# KiCad board 8851_HW-U1-VCU118_REV2-0_071417.kicad_pcb (continued)
## Footprints (pads in the part's own frame, mm; a bottom-side part is the same pattern mirrored in y, then rotated) (continued)
unnamed#48
  rect 0.001x0.001 hole 0: 1(-2.874,3.519) 2(-2.874,2.879) 3(-2.874,2.239) 4(-2.874,1.599) 5(-2.874,0.96) 6(-2.874,0.32) 7(-2.874,-0.32) 8(-2.874,-0.96) 9(-2.874,-1.599) 10(-2.874,-2.239) 11(-2.874,-2.879) 12(-2.874,-3.519) 13(2.874,-3.519) 14(2.874,-2.879) 15(2.874,-2.239) 16(2.874,-1.599) 17(2.874,-0.96) 18(2.874,-0.32) 19(2.874,0.32) 20(2.874,0.96) 21(2.874,1.599) 22(2.874,2.239) 23(2.874,2.879) 24(2.874,3.519)
unnamed#49
  rect 0.001x0.001 hole 0: 1(2.225,4.475) 2(2.225,-4.475) 3(-2.225,4.475) 4(-2.225,-4.475)
unnamed#50
  rect 0.001x0.001 hole 0: 1(2.377,-1.722) 2(2.377,-1.23) 3(2.377,-0.738) 4(2.377,-0.246) 5(2.377,0.246) 6(2.377,0.738) 7(2.377,1.23) 8(2.377,1.722) 9(1.722,2.377) 10(1.23,2.377) 11(0.738,2.377) 12(0.246,2.377) 13(-0.246,2.377) 14(-0.738,2.377) 15(-1.23,2.377) 16(-1.722,2.377) 17(-2.377,1.722) 18(-2.377,1.23) 19(-2.377,0.738) 20(-2.377,0.246) 21(-2.377,-0.246) 22(-2.377,-0.738) 23(-2.377,-1.23) 24(-2.377,-1.722) 25(-1.722,-2.377) 26(-1.23,-2.377) 27(-0.738,-2.377) 28(-0.246,-2.377) 29(0.246,-2.377) 30(0.738,-2.377) 31(1.23,-2.377) 32(1.722,-2.377) 33(0,0)
unnamed#51
  rect 0.001x0.001 hole 0: 1(1.448,-0.96) 2(1.448,-0.32) 3(1.448,0.32) 4(1.448,0.96) 5(-1.448,0.96) 6(-1.448,0.32) 7(-1.448,-0.32) 8(-1.448,-0.96) 9(0,-1) 10(0,0.55)
unnamed#52
  rect 0.001x0.001 hole 0: 1(0.492,0.64) 2(0,-0.64) 3(-0.492,0.64)
unnamed#53
  round 0.001 hole 0: 1(0,0)
  round 0.001 hole 1.575: 2(2.5,2.5) 3(-2.5,2.5) 4(2.5,-2.5) 5(-2.5,-2.5)
unnamed#54
  rect 0.001x0.001 hole 0: 1(2.875,-2.879) 2(2.875,-2.239) 3(2.875,-1.599) 4(2.875,-0.96) 5(2.875,-0.32) 6(2.875,0.32) 7(2.875,0.96) 8(2.875,1.599) 9(2.875,2.239) 10(2.875,2.879) 11(-2.875,2.879) 12(-2.875,2.239) 13(-2.875,1.599) 14(-2.875,0.96) 15(-2.875,0.32) 16(-2.875,-0.32) 17(-2.875,-0.96) 18(-2.875,-1.599) 19(-2.875,-2.239) 20(-2.875,-2.879)
unnamed#55
  rect 0.001x0.001 hole 0: 1(1.688,0) 2(-1.688,0)
unnamed#188
  rect 0.001x0.001 hole 0: 1(1.723,0) 2(-1.723,0)
unnamed#56
  rect 0.001x0.001 hole 0: 1(0.938,-0.64) 2(0.938,0) 3(0.938,0.64) 4(-0.938,0.64) 5(-0.938,-0.64)
unnamed#57
  rect 0.001x0.001 hole 0: 1(1.082,-0.648) 2(1.082,0) 3(1.082,0.648) 4(-1.082,0.648) 5(-1.082,0) 6(-1.082,-0.648)
unnamed#58
  rect 0.001x0.001 hole 0: 1(-0.985,0) 2(0.985,0)
unnamed#59
  rect 0.001x0.001 hole 1: 1(0,0)
  round 0.001 hole 1: 2(2.5,0) 3(0,-2.5) 4(2.5,-2.5) 5(0,-5) 6(2.5,-5) 7(0,-7.5) 8(2.5,-7.5) 9(0,-10) 10(2.5,-10) 11(0,-12.5) 12(2.5,-12.5) 13(0,-15) 14(2.5,-15) 15(0,-17.5) 16(2.5,-17.5)
unnamed#60
  rect 0.001x0.001 hole 0: 1(-0.688,-1.725) 2(-0.688,1.725) 3(0.688,-1.725) 4(0.688,1.725)
unnamed#61
  rect 0.001x0.001 hole 0: 1(0,-1.28) 2(0,-0.64) 3(0,0) 4(0,0.64) 5(0,1.28) 7(2.757,1.137) 8(2.757,-1.137)
  round 0.001 hole 0.8: 6(2.757,4.025) 9(2.757,-4.025)
  round 0.001 hole 0.65: 10(-0.318,-2.191) 11(-0.318,2.191)
unnamed#62
  rect 0.001x0.001 hole 0: 1(0.394,0.394) 2(-0.394,0.394) 3(0,-0.394)
unnamed#63
  rect 0.001x0.001 hole 0: 1(-1.688,0) 2(1.688,0)
unnamed#64
  rect 0.001x0.001 hole 0: 1(-2.225,-4.475) 2(-2.225,4.475) 3(2.225,-4.475) 4(2.225,4.475)
unnamed#65
  rect 0.001x0.001 hole 1: 1(0,0)
  round 0.001 hole 1: 2(0,2.5)
unnamed#66
  rect 0.001x0.001 hole 0: 1(0,0.931) 2(0,-0.931)
unnamed#67
  rect 0.001x0.001 hole 0: 1(1.25,1.28) 2(0,1.28) 3(-1.25,1.28) 4(-1.25,-1.28) 5(0,-1.28) 6(1.25,-1.28)
unnamed#68
  rect 0.001x0.001 hole 0: 1(-1.083,0.935) 2(-1.083,-0.935) 3(1.083,0)
unnamed#69
  rect 0.001x0.001 hole 0: 1(-3.518,0) 2(3.518,0)
unnamed#70
  rect 0.001x0.001 hole 0: 1(0.386,-0.492) 2(0.386,0) 3(0.386,0.492) 4(-0.386,0.492) 5(-0.386,0) 6(-0.386,-0.492)
unnamed#71
  rect 0.001x0.001 hole 0: 1(-2.116,7.536) 2(2.116,11.075) 3(-2.116,-1.339) 4(2.116,2.225) 5(-2.116,-10.189) 6(2.116,-6.649) 7(-2.116,-19.064) 8(2.116,-15.524)
unnamed#72
  rect 0.001x0.001 hole 0: 1(0.197,0.69) 2(-0.197,0.69) 3(-0.886,0.394) 4(-0.886,0) 5(-0.886,-0.394) 6(-0.197,-0.69) 7(0.197,-0.69) 8(0.886,-0.394) 9(0.886,0) 10(0.886,0.394)
unnamed#73
  rect 0.001x0.001 hole 0: 1(1.81,-0.96) 2(1.81,-0.32) 3(1.81,0.32) 4(1.81,0.96) 5(0.96,1.815) 6(0.32,1.815) 7(-0.32,1.815) 8(-0.96,1.815) 9(-1.81,0.96) 10(-1.81,0.32) 11(-1.81,-0.32) 12(-1.81,-0.96) 13(-0.96,-1.815) 14(-0.32,-1.815) 15(0.32,-1.815) 16(0.96,-1.815) 17(0,0)
unnamed#74
  rect 0.001x0.001 hole 0: 1(-2.707,-3.42) 2(-2.215,-3.42) 3(-1.723,-3.42) 4(-1.23,-3.42) 5(-0.738,-3.42) 6(-0.245,-3.42) 7(0.245,-3.42) 8(0.738,-3.42) 9(1.23,-3.42) 10(1.723,-3.42) 11(2.215,-3.42) 12(2.707,-3.42) 13(3.42,-2.707) 14(3.42,-2.215) 15(3.42,-1.723) 16(3.42,-1.23) 17(3.42,-0.738) 18(3.42,-0.245) 19(3.42,0.245) 20(3.42,0.738) 21(3.42,1.23) 22(3.42,1.723) 23(3.42,2.215) 24(3.42,2.707) 25(2.707,3.42) 26(2.215,3.42) 27(1.723,3.42) 28(1.23,3.42) 29(0.738,3.42) 30(0.245,3.42) 31(-0.245,3.42) 32(-0.738,3.42) 33(-1.23,3.42) 34(-1.723,3.42) 35(-2.215,3.42) 36(-2.707,3.42) 37(-3.42,2.707) 38(-3.42,2.215) 39(-3.42,1.723) 40(-3.42,1.23) 41(-3.42,0.738) 42(-3.42,0.245) 43(-3.42,-0.245) 44(-3.42,-0.738) 45(-3.42,-1.23) 46(-3.42,-1.723) 47(-3.42,-2.215) 48(-3.42,-2.707) 49(0,0)
unnamed#75
  rect 0.001x0.001 hole 0: 1(0,-2.725) 2(0,2.725)
unnamed#76
  round 0.001 hole 0: 1(0.716,-1.526) 2(1.103,-0.541) 3(1.103,0.443) 4(1.103,1.427) 5(1.103,2.411) 6(-1.103,1.919) 7(-1.103,0.935) 8(-1.103,-0.049) 9(-1.103,-1.033) 10(-1.653,-1.526) 11(-1.205,-2.756) 12(-0.713,-2.756) 13(-0.22,-2.756) 14(0.272,-2.756) 15(0.764,-2.756) 16(1.256,-2.756)
  rect 0.001x0.001 hole 0: 17(0,-4.183) 18(1.55,4.148) 19(-1.55,4.148)
unnamed#77
  round 0.001 hole 0: A1(-0.492,0.492) A2(0,0.492) A3(0.492,0.492) B1(-0.492,0) B2(0,0) B3(0.492,0) C1(-0.492,-0.492) C2(0,-0.492) C3(0.492,-0.492)
unnamed#78
  rect 0.001x0.001 hole 0: 1(0,1.688) 2(0,-1.688)
unnamed#79
  rect 0.001x0.001 hole 0: 1(-1.821,0) 2(1.821,0)
unnamed#80
  rect 0.001x0.001 hole 0: 1(-1.448,0.96) 2(-1.448,0.32) 3(-1.448,-0.32) 4(-1.448,-0.96) 5(1.448,-0.96) 6(1.448,-0.32) 7(1.448,0.32) 8(1.448,0.96) 9(0,1) 10(0,-0.55)
unnamed#81
  rect 0.001x0.001 hole 0: 1(-3.95,0) 2(3.95,0)
unnamed#82
  rect 0.001x0.001 hole 0: 1(2.5,2.062) 2(0,2.062) 3(-2.5,2.062) 4(-2.5,-2.062) 5(0,-2.062) 6(2.5,-2.062) 7(2.8,0) 8(-2.8,0)
unnamed#83
  round 0.001 hole 0: A1(-5.512,-5.512) A2(-5.512,-4.724) A3(-5.512,-3.937) A4(-5.512,-3.15) A5(-5.512,-2.362) A6(-5.512,-1.575) A7(-5.512,-0.787) A8(-5.512,0) A9(-5.512,0.787) A10(-5.512,1.575) A11(-5.512,2.362) A12(-5.512,3.15) A13(-5.512,3.937) A14(-5.512,4.724) A15(-5.512,5.512) B1(-4.724,-5.512) B2(-4.724,-4.724) B3(-4.724,-3.937) B4(-4.724,-3.15) B5(-4.724,-2.362) B6(-4.724,-1.575) B7(-4.724,-0.787) B8(-4.724,0) B9(-4.724,0.787) B10(-4.724,1.575) B11(-4.724,2.362) B12(-4.724,3.15) B13(-4.724,3.937) B14(-4.724,4.724) B15(-4.724,5.512) C1(-3.937,-5.512) C2(-3.937,-4.724) C3(-3.937,-3.937) C4(-3.937,-3.15) C5(-3.937,-2.362) C6(-3.937,-1.575) C7(-3.937,-0.787) C8(-3.937,0) C9(-3.937,0.787) C10(-3.937,1.575) C11(-3.937,2.362) C12(-3.937,3.15) C13(-3.937,3.937) C14(-3.937,4.724) C15(-3.937,5.512) D1(-3.15,-5.512) D2(-3.15,-4.724) D3(-3.15,-3.937) D4(-3.15,-3.15) D5(-3.15,-2.362) D6(-3.15,-1.575) D7(-3.15,-0.787) D8(-3.15,0) D9(-3.15,0.787) D10(-3.15,1.575) D11(-3.15,2.362) D12(-3.15,3.15) D13(-3.15,3.937) D14(-3.15,4.724) D15(-3.15,5.512) E1(-2.362,-5.512) E2(-2.362,-4.724) E3(-2.362,-3.937) E4(-2.362,-3.15) E5(-2.362,-2.362) E6(-2.362,-1.575) E7(-2.362,-0.787) E8(-2.362,0) E9(-2.362,0.787) E10(-2.362,1.575) E11(-2.362,2.362) E12(-2.362,3.15) E13(-2.362,3.937) E14(-2.362,4.724) E15(-2.362,5.512) F1(-1.575,-5.512) F2(-1.575,-4.724) F3(-1.575,-3.937) F4(-1.575,-3.15) F5(-1.575,-2.362) F6(-1.575,-1.575) F7(-1.575,-0.787) F8(-1.575,0) F9(-1.575,0.787) F10(-1.575,1.575) F11(-1.575,2.362) F12(-1.575,3.15) F13(-1.575,3.937) F14(-1.575,4.724) F15(-1.575,5.512) G1(-0.787,-5.512) G2(-0.787,-4.724) G3(-0.787,-3.937) G4(-0.787,-3.15) G5(-0.787,-2.362) G6(-0.787,-1.575) G7(-0.787,-0.787) G8(-0.787,0) G9(-0.787,0.787) G10(-0.787,1.575) G11(-0.787,2.362) G12(-0.787,3.15) G13(-0.787,3.937) G14(-0.787,4.724) G15(-0.787,5.512) H1(0,-5.512) H2(0,-4.724) H3(0,-3.937) H4(0,-3.15) H5(0,-2.362) H6(0,-1.575) H7(0,-0.787) H8(0,0) H9(0,0.787) H10(0,1.575) H11(0,2.362) H12(0,3.15) H13(0,3.937) H14(0,4.724) H15(0,5.512) J1(0.787,-5.512) J2(0.787,-4.724) J3(0.787,-3.937) J4(0.787,-3.15) J5(0.787,-2.362) J6(0.787,-1.575) J7(0.787,-0.787) J8(0.787,0) J9(0.787,0.787) J10(0.787,1.575) J11(0.787,2.362) J12(0.787,3.15) J13(0.787,3.937) J14(0.787,4.724) J15(0.787,5.512) K1(1.575,-5.512) K2(1.575,-4.724) K3(1.575,-3.937) K4(1.575,-3.15) K5(1.575,-2.362) K6(1.575,-1.575) K7(1.575,-0.787) K8(1.575,0) K9(1.575,0.787) K10(1.575,1.575) K11(1.575,2.362) K12(1.575,3.15) K13(1.575,3.937) K14(1.575,4.724) K15(1.575,5.512) L1(2.362,-5.512) L2(2.362,-4.724) L3(2.362,-3.937) L4(2.362,-3.15) L5(2.362,-2.362) L6(2.362,-1.575) L7(2.362,-0.787) L8(2.362,0) L9(2.362,0.787) L10(2.362,1.575) L11(2.362,2.362) L12(2.362,3.15) L13(2.362,3.937) L14(2.362,4.724) L15(2.362,5.512) M1(3.15,-5.512) M2(3.15,-4.724) M3(3.15,-3.937) M4(3.15,-3.15) M5(3.15,-2.362) M6(3.15,-1.575) M7(3.15,-0.787) M8(3.15,0) M9(3.15,0.787) M10(3.15,1.575) M11(3.15,2.362) M12(3.15,3.15) M13(3.15,3.937) M14(3.15,4.724) M15(3.15,5.512) N1(3.937,-5.512) N2(3.937,-4.724) N3(3.937,-3.937) N4(3.937,-3.15) N5(3.937,-2.362) N6(3.937,-1.575) N7(3.937,-0.787) N8(3.937,0) N9(3.937,0.787) N10(3.937,1.575) N11(3.937,2.362) N12(3.937,3.15) N13(3.937,3.937) N14(3.937,4.724) N15(3.937,5.512) P1(4.724,-5.512) P2(4.724,-4.724) P3(4.724,-3.937) P4(4.724,-3.15) P5(4.724,-2.362) P6(4.724,-1.575) P7(4.724,-0.787) P8(4.724,0) P9(4.724,0.787) P10(4.724,1.575) P11(4.724,2.362) P12(4.724,3.15) P13(4.724,3.937) P14(4.724,4.724) P15(4.724,5.512) R1(5.512,-5.512) R2(5.512,-4.724) R3(5.512,-3.937) R4(5.512,-3.15) R5(5.512,-2.362) R6(5.512,-1.575) R7(5.512,-0.787) R8(5.512,0) R9(5.512,0.787) R10(5.512,1.575) R11(5.512,2.362) R12(5.512,3.15) R13(5.512,3.937) R14(5.512,4.724) R15(5.512,5.512)
unnamed#84
  round 0.001 hole 0: A2(-4.921,5.905) A3(-3.937,5.905) A4(-2.953,5.905) A5(-1.969,5.905) A6(-0.985,5.905) A7(0,5.905) A8(0.984,5.905) A9(1.968,5.905) A10(2.952,5.905) A11(3.937,5.905) A12(4.923,5.907) A13(5.907,5.907) B1(-5.906,4.921) B2(-4.921,4.921) B3(-3.937,4.921) B4(-2.953,4.921) B5(-1.969,4.921) B6(-0.985,4.921) B7(0,4.921) B8(0.984,4.921) B9(1.968,4.921) B10(2.952,4.921) B11(3.937,4.921) B12(4.923,4.923) B13(5.907,4.923) C1(-5.906,3.937) C2(-4.921,3.937) C3(-3.937,3.937) C4(-2.953,3.937) C5(-1.969,3.937) C6(-0.985,3.937) C7(0,3.937) C8(0.984,3.937) C9(1.968,3.937) C10(2.952,3.937) C11(3.937,3.937) C12(4.923,3.938) C13(5.907,3.938) D1(-5.906,2.952) D2(-4.921,2.952) D3(-3.937,2.952) D4(-2.953,2.952) D5(-1.969,2.952) D6(-0.985,2.952) D7(0,2.952) D8(0.984,2.952) D9(1.968,2.952) D10(2.952,2.952) D11(3.937,2.952) D12(4.923,2.954) D13(5.907,2.954) E1(-5.906,1.968) E2(-4.921,1.968) E3(-3.937,1.968) E4(-2.953,1.968) E5(-1.969,1.968) E6(-0.985,1.968) E7(0,1.968) E8(0.984,1.968) E9(1.968,1.968) E10(2.952,1.968) E11(3.937,1.968) E12(4.923,1.97) E13(5.907,1.97) F1(-5.906,0.984) F2(-4.921,0.984) F3(-3.937,0.984) F4(-2.953,0.984) F5(-1.969,0.984) F6(-0.985,0.984) F7(0,0.984) F8(0.984,0.984) F9(1.968,0.984) F10(2.952,0.984) F11(3.937,0.984) F12(4.923,0.986) F13(5.907,0.986) G1(-5.906,0) G2(-4.921,0) G3(-3.937,0) G4(-2.953,0) G5(-1.969,0) G6(-0.985,0) G7(0,0) G8(0.984,0) G9(1.968,0) G10(2.952,0) G11(3.937,0) G12(4.923,0.001) G13(5.907,0.001) H1(-5.906,-0.985) H2(-4.921,-0.985) H3(-3.937,-0.985) H4(-2.953,-0.985) H5(-1.969,-0.985) H6(-0.985,-0.985) H7(0,-0.985) H8(0.984,-0.985) H9(1.968,-0.985) H10(2.952,-0.985) H11(3.937,-0.985) H12(4.923,-0.983) H13(5.907,-0.983) J1(-5.906,-1.969) J2(-4.921,-1.969) J3(-3.937,-1.969) J4(-2.953,-1.969) J5(-1.969,-1.969) J6(-0.985,-1.969) J7(0,-1.969) J8(0.984,-1.969) J9(1.968,-1.969) J10(2.952,-1.969) J11(3.937,-1.969) J12(4.923,-1.967) J13(5.907,-1.967) K1(-5.906,-2.953) K2(-4.921,-2.953) K3(-3.937,-2.953) K4(-2.953,-2.953) K5(-1.969,-2.953) K6(-0.985,-2.953) K7(0,-2.953) K8(0.984,-2.953) K9(1.968,-2.953) K10(2.952,-2.953) K11(3.937,-2.953) K12(4.923,-2.951) K13(5.907,-2.951) L1(-5.906,-3.937) L2(-4.921,-3.937) L3(-3.937,-3.937) L4(-2.953,-3.937) L5(-1.969,-3.937) L6(-0.985,-3.937) L7(0,-3.937) L8(0.984,-3.937) L9(1.968,-3.937) L10(2.952,-3.937) L11(3.937,-3.937) L12(4.923,-3.936) L13(5.907,-3.936) M1(-5.906,-4.921) M2(-4.921,-4.921) M3(-3.937,-4.921) M4(-2.953,-4.921) M5(-1.969,-4.921) M6(-0.985,-4.921) M7(0,-4.921) M8(0.984,-4.921) M9(1.968,-4.921) M10(2.952,-4.921) M11(3.937,-4.921) M12(4.923,-4.92) M13(5.907,-4.92) N1(-5.906,-5.906) N2(-4.921,-5.906) N3(-3.937,-5.906) N4(-2.953,-5.906) N5(-1.969,-5.906) N6(-0.985,-5.906) N7(0,-5.906) N8(0.984,-5.906) N9(1.968,-5.906) N10(2.952,-5.906) N11(3.937,-5.906) N12(4.923,-5.904) N13(5.907,-5.904)
unnamed#85
  rect 0.001x0.001 hole 0: 1(-2.24,-2.805) 2(-1.6,-2.805) 3(-0.96,-2.805) 4(-0.32,-2.805) 5(0.32,-2.805) 6(0.96,-2.805) 7(1.6,-2.805) 8(2.24,-2.805) 9(2.24,2.805) 10(1.6,2.805) 11(0.96,2.805) 12(0.32,2.805) 13(-0.32,2.805) 14(-0.96,2.805) 15(-1.6,2.805) 16(-2.24,2.805) 17(0,0)
unnamed#86
  rect 0.001x0.001 hole 0: 1(-2.51,0) 2(2.51,0)
unnamed#87
  rect 0.001x0.001 hole 0: 1(-4.475,2.225) 2(4.475,2.225) 3(-4.475,-2.225) 4(4.475,-2.225)
unnamed#88
  rect 0.001x0.001 hole 0: 1(2.51,0) 2(-2.51,0)
unnamed#89
  round 0.001 hole 0: A1(5.905,3.15) A2(5.905,2.362) A3(5.905,1.575) A7(5.905,-1.575) A8(5.905,-2.362) A9(5.905,-3.15) B1(5.118,3.15) B2(5.118,2.362) B3(5.118,1.575) B7(5.118,-1.575) B8(5.118,-2.362) B9(5.118,-3.15) C1(4.331,3.15) C2(4.331,2.362) C3(4.331,1.575) C7(4.331,-1.575) C8(4.331,-2.362) C9(4.331,-3.15) D1(3.543,3.15) D2(3.543,2.362) D3(3.543,1.575) D7(3.543,-1.575) D8(3.543,-2.362) D9(3.543,-3.15) E1(2.756,3.15) E2(2.756,2.362) E3(2.756,1.575) E7(2.756,-1.575) E8(2.756,-2.362) E9(2.756,-3.15) F1(1.968,3.15) F2(1.968,2.362) F3(1.968,1.575) F7(1.968,-1.575) F8(1.968,-2.362) F9(1.968,-3.15) G1(1.181,3.15) G2(1.181,2.362) G3(1.181,1.575) G7(1.181,-1.575) G8(1.181,-2.362) G9(1.181,-3.15) H1(0.394,3.15) H2(0.394,2.362) H3(0.394,1.575) H7(0.394,-1.575) H8(0.394,-2.362) H9(0.394,-3.15) J1(-0.394,3.15) J2(-0.394,2.362) J3(-0.394,1.575) J7(-0.394,-1.575) J8(-0.394,-2.362) J9(-0.394,-3.15) K1(-1.181,3.15) K2(-1.181,2.362) K3(-1.181,1.575) K7(-1.181,-1.575) K8(-1.181,-2.362) K9(-1.181,-3.15) L1(-1.968,3.15) L2(-1.968,2.362) L3(-1.968,1.575) L7(-1.968,-1.575) L8(-1.968,-2.362) L9(-1.968,-3.15) M1(-2.756,3.15) M2(-2.756,2.362) M3(-2.756,1.575) M7(-2.756,-1.575) M8(-2.756,-2.362) M9(-2.756,-3.15) N1(-3.543,3.15) N2(-3.543,2.362) N3(-3.543,1.575) N7(-3.543,-1.575) N8(-3.543,-2.362) N9(-3.543,-3.15) P1(-4.331,3.15) P2(-4.331,2.362) P3(-4.331,1.575) P7(-4.331,-1.575) P8(-4.331,-2.362) P9(-4.331,-3.15) R1(-5.118,3.15) R2(-5.118,2.362) R3(-5.118,1.575) R7(-5.118,-1.575) R8(-5.118,-2.362) R9(-5.118,-3.15) T1(-5.905,3.15) T2(-5.905,2.362) T3(-5.905,1.575) T7(-5.905,-1.575) T8(-5.905,-2.362) T9(-5.905,-3.15)
unnamed#90
  rect 0.001x0.001 hole 0: 1(-1,-3.275) 2(-1,-15.775) 3(-1,-28.275) 4(-1,-40.775) 5(9.525,-45.05) 6(22.025,-45.05) 7(34.525,-45.05) 8(47.025,-45.05) 9(57.55,-40.775) 10(57.55,-28.275) 11(57.55,-15.775) 12(57.55,-3.275) 13(47.025,1) 14(34.525,1) 15(22.025,1) 16(9.525,1)
unnamed#91
  rect 0.001x0.001 hole 0: 1(0.985,0) 2(-0.985,0)
unnamed#92
  rect 0.001x0.001 hole 0: 1(0.787,-1.181) 2(0.787,-0.394) 3(0.787,0.394) 4(0.787,1.181) 5(-0.787,1.181) 6(-0.787,0.394) 7(-0.787,-0.394) 8(-0.787,-1.181)
unnamed#93
  rect 0.001x0.001 hole 0: 1(-0.64,-0.938) 2(0,-0.938) 3(0.64,-0.938) 4(0.64,0.938) 5(-0.64,0.938)
unnamed#94
  round 0.001 hole 0: A2(-5.905,-4.921) A3(-5.905,-3.937) A4(-5.905,-2.953) A5(-5.905,-1.969) A6(-5.905,-0.985) A7(-5.905,0) A8(-5.905,0.984) A9(-5.905,1.968) A10(-5.905,2.952) A11(-5.905,3.937) A12(-5.907,4.923) A13(-5.907,5.907) B1(-4.921,-5.906) B2(-4.921,-4.921) B3(-4.921,-3.937) B4(-4.921,-2.953) B5(-4.921,-1.969) B6(-4.921,-0.985) B7(-4.921,0) B8(-4.921,0.984) B9(-4.921,1.968) B10(-4.921,2.952) B11(-4.921,3.937) B12(-4.923,4.923) B13(-4.923,5.907) C1(-3.937,-5.906) C2(-3.937,-4.921) C3(-3.937,-3.937) C4(-3.937,-2.953) C5(-3.937,-1.969) C6(-3.937,-0.985) C7(-3.937,0) C8(-3.937,0.984) C9(-3.937,1.968) C10(-3.937,2.952) C11(-3.937,3.937) C12(-3.938,4.923) C13(-3.938,5.907) D1(-2.952,-5.906) D2(-2.952,-4.921) D3(-2.952,-3.937) D4(-2.952,-2.953) D5(-2.952,-1.969) D6(-2.952,-0.985) D7(-2.952,0) D8(-2.952,0.984) D9(-2.952,1.968) D10(-2.952,2.952) D11(-2.952,3.937) D12(-2.954,4.923) D13(-2.954,5.907) E1(-1.968,-5.906) E2(-1.968,-4.921) E3(-1.968,-3.937) E4(-1.968,-2.953) E5(-1.968,-1.969) E6(-1.968,-0.985) E7(-1.968,0) E8(-1.968,0.984) E9(-1.968,1.968) E10(-1.968,2.952) E11(-1.968,3.937) E12(-1.97,4.923) E13(-1.97,5.907) F1(-0.984,-5.906) F2(-0.984,-4.921) F3(-0.984,-3.937) F4(-0.984,-2.953) F5(-0.984,-1.969) F6(-0.984,-0.985) F7(-0.984,0) F8(-0.984,0.984) F9(-0.984,1.968) F10(-0.984,2.952) F11(-0.984,3.937) F12(-0.986,4.923) F13(-0.986,5.907) G1(0,-5.906) G2(0,-4.921) G3(0,-3.937) G4(0,-2.953) G5(0,-1.969) G6(0,-0.985) G7(0,0) G8(0,0.984) G9(0,1.968) G10(0,2.952) G11(0,3.937) G12(-0.001,4.923) G13(-0.001,5.907) H1(0.985,-5.906) H2(0.985,-4.921) H3(0.985,-3.937) H4(0.985,-2.953) H5(0.985,-1.969) H6(0.985,-0.985) H7(0.985,0) H8(0.985,0.984) H9(0.985,1.968) H10(0.985,2.952) H11(0.985,3.937) H12(0.983,4.923) H13(0.983,5.907) J1(1.969,-5.906) J2(1.969,-4.921) J3(1.969,-3.937) J4(1.969,-2.953) J5(1.969,-1.969) J6(1.969,-0.985) J7(1.969,0) J8(1.969,0.984) J9(1.969,1.968) J10(1.969,2.952) J11(1.969,3.937) J12(1.967,4.923) J13(1.967,5.907) K1(2.953,-5.906) K2(2.953,-4.921) K3(2.953,-3.937) K4(2.953,-2.953) K5(2.953,-1.969) K6(2.953,-0.985) K7(2.953,0) K8(2.953,0.984) K9(2.953,1.968) K10(2.953,2.952) K11(2.953,3.937) K12(2.951,4.923) K13(2.951,5.907) L1(3.937,-5.906) L2(3.937,-4.921) L3(3.937,-3.937) L4(3.937,-2.953) L5(3.937,-1.969) L6(3.937,-0.985) L7(3.937,0) L8(3.937,0.984) L9(3.937,1.968) L10(3.937,2.952) L11(3.937,3.937) L12(3.936,4.923) L13(3.936,5.907) M1(4.921,-5.906) M2(4.921,-4.921) M3(4.921,-3.937) M4(4.921,-2.953) M5(4.921,-1.969) M6(4.921,-0.985) M7(4.921,0) M8(4.921,0.984) M9(4.921,1.968) M10(4.921,2.952) M11(4.921,3.937) M12(4.92,4.923) M13(4.92,5.907) N1(5.906,-5.906) N2(5.906,-4.921) N3(5.906,-3.937) N4(5.906,-2.953) N5(5.906,-1.969) N6(5.906,-0.985) N7(5.906,0) N8(5.906,0.984) N9(5.906,1.968) N10(5.906,2.952) N11(5.906,3.937) N12(5.904,4.923) N13(5.904,5.907)
unnamed#95
  rect 0.001x0.001 hole 1: 1(0,0)
  round 0.001 hole 1: 2(0,2.5) 3(0,5) 4(0,7.5) 5(0,10) 6(0,12.5)
unnamed#96
  rect 0.001x0.001 hole 0: 1(-0.96,-1.448) 2(-0.32,-1.448) 3(0.32,-1.448) 4(0.96,-1.448) 5(0.96,1.448) 6(0.32,1.448) 7(-0.32,1.448) 8(-0.96,1.448) 9(-1,0) 10(0.55,0)
unnamed#97
  rect 0.001x0.001 hole 0: 1(0.985,2.138) 2(0.493,2.138) 3(0,2.138) 4(-0.493,2.138) 5(-0.985,2.138) 6(-0.985,-2.138) 7(-0.493,-2.138) 8(0,-2.138) 9(0.493,-2.138) 10(0.985,-2.138)
unnamed#98
  round 0.001 hole 0: 1(0,0)
  round 0.001 hole 1.575: 2(-2.5,-2.5) 3(2.5,-2.5) 4(-2.5,2.5) 5(2.5,2.5)
unnamed#99
  rect 0.001x0.001 hole 1: 1(0,0)
  round 0.001 hole 1: 2(0,-2.5) 3(0,-5) 4(0,-7.5)
unnamed#100
  rect 0.001x0.001 hole 1: 1(0,0)
  round 0.001 hole 1: 2(0,2.5) 3(0,5)
unnamed#101
  rect 0.001x0.001 hole 0: 1(2.212,0) 2(-2.212,0)
unnamed#102
  round 0.001 hole 1.825: 1(0,-4.625) 2(0,0) 3(0,4.625) SH1(-9.375,-6.5) SH2(-9.375,6.5)
unnamed#103
  rect 0.001x0.001 hole 0: 1(-4.872,0) 2(4.872,0)
unnamed#104
  rect 0.001x0.001 hole 0: 1(0,2.51) 2(0,-2.51)
unnamed#105
  rect 0.001x0.001 hole 0.9: 1(-4.995,-15)
  round 0.001 hole 0.9: 2(-2.997,-15) 3(-0.999,-15) 4(0.999,-15) 5(2.997,-15) 6(4.995,-15) 7(-5.999,-17.5) 8(-3.996,-17.5) 9(-1.993,-17.5) 10(1.993,-17.5) 11(3.996,-17.5) 12(5.999,-17.5)
  round 0.001 hole 1: 13(-6.024,-20) 14(-3.524,-20) 15(3.524,-20) 16(6.024,-20)
  round 0.001 hole 1.55: SH1(8.046,3.13) SH2(-8.046,3.13)
unnamed#106
  rect 0.001x0.001 hole 0: 1(-2.062,2.5) 2(-2.062,0) 3(-2.062,-2.5) 4(2.062,-2.5) 5(2.062,0) 6(2.062,2.5) 7(0,2.8) 8(0,-2.8)
unnamed#107
  rect 0.001x0.001 hole 0: 1(0,-2.51) 2(0,2.51)
unnamed#108
  rect 0.001x0.001 hole 0: 1(1.033,-0.935) 2(1.033,0.935) 3(-1.033,0)
unnamed#109
  rect 0.001x0.001 hole 0: 1(2.24,2.805) 2(1.6,2.805) 3(0.96,2.805) 4(0.32,2.805) 5(-0.32,2.805) 6(-0.96,2.805) 7(-1.6,2.805) 8(-2.24,2.805) 9(-2.24,-2.805) 10(-1.6,-2.805) 11(-0.96,-2.805) 12(-0.32,-2.805) 13(0.32,-2.805) 14(0.96,-2.805) 15(1.6,-2.805) 16(2.24,-2.805) 17(0,0)
unnamed#110
  round 0.001 hole 1.025: 1(-3.051,-1.083) 2(-12.589,3.346) 3(-12.589,10.433) 4(-7.48,17.618) 5(3.051,17.618) 6(11.909,17.618) 7(20.768,17.618) 8(29.626,17.618) 9(34.055,-1.083) 10(25.197,-1.083) 11(16.339,-1.083) 12(7.48,-1.083)
unnamed#111
  rect 0.001x0.001 hole 0: 1(-1.875,-2.425) 2(-0.625,-2.425) 3(0.625,-2.425) 4(1.875,-2.425) 5(1.875,2.425) 6(0.625,2.425) 7(-0.625,2.425) 8(-1.875,2.425)
unnamed#112
  rect 0.001x0.001 hole 0: 1(3.95,0) 2(-3.95,0)
unnamed#113
  rect 0.001x0.001 hole 1: 1(0,0)
  round 0.001 hole 1: 2(0,2.5) 3(2.5,0) 4(2.5,2.5) 5(5,0) 6(5,2.5) 7(7.5,0) 8(7.5,2.5)
unnamed#114
  rect 0.001x0.001 hole 0: 1(-1.181,-1.968) 2(-0.787,-1.968) 3(-0.394,-1.968) 4(0,-1.968) 5(0.394,-1.968) 6(0.787,-1.968) 7(1.181,-1.968) 8(1.968,-1.181) 9(1.968,-0.787) 10(1.968,-0.394) 11(1.968,0) 12(1.968,0.394) 13(1.968,0.787) 14(1.968,1.181) 15(1.181,1.968) 16(0.787,1.968) 17(0.394,1.968) 18(0,1.968) 19(-0.394,1.968) 20(-0.787,1.968) 21(-1.181,1.968) 22(-1.968,1.181) 23(-1.968,0.787) 24(-1.968,0.394) 25(-1.968,0) 26(-1.968,-0.394) 27(-1.968,-0.787) 28(-1.968,-1.181) 29(0,0)
unnamed#115
  rect 0.001x0.001 hole 0: 1(-0.492,-0.64) 2(0,0.64) 3(0.492,-0.64)
unnamed#116
  rect 0.001x0.001 hole 0: 1(0,0) 2(1.083,0) 3(2.165,0) 4(3.248,0) 5(4.331,0) 6(5.413,0) 7(6.496,0) 8(7.579,0) 9(9.006,2.854) 10(-3.691,2.854) 11(9.129,-6.742) 12(8.563,-11.393) 13(2.067,-11.393) 14(-0.197,-11.393)
unnamed#117
  rect 0.001x0.001 hole 0: 1(0.64,0.938) 2(0,0.938) 3(-0.64,0.938) 4(-0.64,-0.938) 5(0.64,-0.938)
unnamed#118
  rect 0.001x0.001 hole 1: 1(0,0)
  round 0.001 hole 1: 2(2.5,0) 3(5,0)
unnamed#119
  rect 0.001x0.001 hole 0: 1(0.96,1.448) 2(0.32,1.448) 3(-0.32,1.448) 4(-0.96,1.448) 5(-0.96,-1.448) 6(-0.32,-1.448) 7(0.32,-1.448) 8(0.96,-1.448) 9(1,0) 10(-0.55,0)
unnamed#120
  rect 0.001x0.001 hole 0: 1(0,3.95) 2(0,-3.95)
unnamed#121
  rect 0.001x0.001 hole 0: 1(0,-3.518) 2(0,3.518)
unnamed#122
  rect 0.001x0.001 hole 0: 1(-1.988,1.23) 2(-1.988,0.738) 3(-1.988,0.246) 4(-1.988,-0.246) 5(-1.988,-0.738) 6(-1.988,-1.23) 7(-1.23,-1.988) 8(-0.738,-1.988) 9(-0.246,-1.988) 10(0.246,-1.988) 11(0.738,-1.988) 12(1.23,-1.988) 13(1.988,-1.23) 14(1.988,-0.738) 15(1.988,-0.246) 16(1.988,0.246) 17(1.988,0.738) 18(1.988,1.23) 19(1.23,1.988) 20(0.738,1.988) 21(0.246,1.988) 22(-0.246,1.988) 23(-0.738,1.988) 24(-1.23,1.988) 25(0,0)
unnamed#123
  rect 0.001x0.001 hole 0: 1(0,3.518) 2(0,-3.518)
unnamed#124
  round 0.001 hole 1.775: 1(0,0) 2(0,-4.134) 3(0,-8.268) 4(-5.413,0) 5(-5.413,-4.134) 6(-5.413,-8.268)
unnamed#125
  rect 0.001x0.001 hole 0: 1(-1.968,-2.667) 2(-1.476,-2.667) 3(-0.984,-2.667) 4(-0.492,-2.667) 5(0,-2.667) 6(0.492,-2.667) 7(0.984,-2.667) 8(1.476,-2.667) 9(1.968,-2.667) 10(2.667,-1.968) 11(2.667,-1.476) 12(2.667,-0.984) 13(2.667,-0.492) 14(2.667,0) 15(2.667,0.492) 16(2.667,0.984) 17(2.667,1.476) 18(2.667,1.968) 19(1.968,2.667) 20(1.476,2.667) 21(0.984,2.667) 22(0.492,2.667) 23(0,2.667) 24(-0.492,2.667) 25(-0.984,2.667) 26(-1.476,2.667) 27(-1.968,2.667) 28(-2.667,1.968) 29(-2.667,1.476) 30(-2.667,0.984) 31(-2.667,0.492) 32(-2.667,0) 33(-2.667,-0.492) 34(-2.667,-0.984) 35(-2.667,-1.476) 36(-2.667,-1.968) 37(0,0)
unnamed#126
  rect 0.001x0.001 hole 0: 1(1.235,-6.89) 2(1.235,-6.102) 3(1.235,-5.315) 4(1.235,-4.528) 5(1.235,-3.74) 6(1.235,-2.953) 7(1.235,-2.165) 8(1.235,-1.378) 9(1.235,-0.591) 10(1.235,0.197) 11(1.235,0.984) 12(1.235,1.772) 13(1.235,2.559) 14(1.235,3.346) 15(1.235,4.134) 16(1.235,4.921) 17(1.235,5.709) 18(1.235,6.496) 19(1.235,7.283) 20(-1.235,6.89) 21(-1.235,6.102) 22(-1.235,5.315) 23(-1.235,4.528) 24(-1.235,3.74) 25(-1.235,2.953) 26(-1.235,2.165) 27(-1.235,1.378) 28(-1.235,0.591) 29(-1.235,-0.197) 30(-1.235,-0.984) 31(-1.235,-1.772) 32(-1.235,-2.559) 33(-1.235,-3.346) 34(-1.235,-4.134) 35(-1.235,-4.921) 36(-1.235,-5.709) 37(-1.235,-6.496) 38(-1.235,-7.283)
unnamed#127
  rect 0.001x0.001 hole 1: 1(2.5,-6.25)
  round 0.001 hole 1: 2(0,-6.25) 3(2.5,-3.75) 4(0,-3.75) 5(2.5,-1.25) 6(0,-1.25) 7(2.5,1.25) 8(0,1.25) 9(2.5,3.75) 10(0,3.75) 11(2.5,6.25) 12(0,6.25)
unnamed#128
  rect 0.001x0.001 hole 1: 1(0,0)
  round 0.001 hole 1: 2(-3.5,0)
unnamed#129